# Altium PCB PCB SOM AM625.PcbDoc (part 2 of 6) (continued)
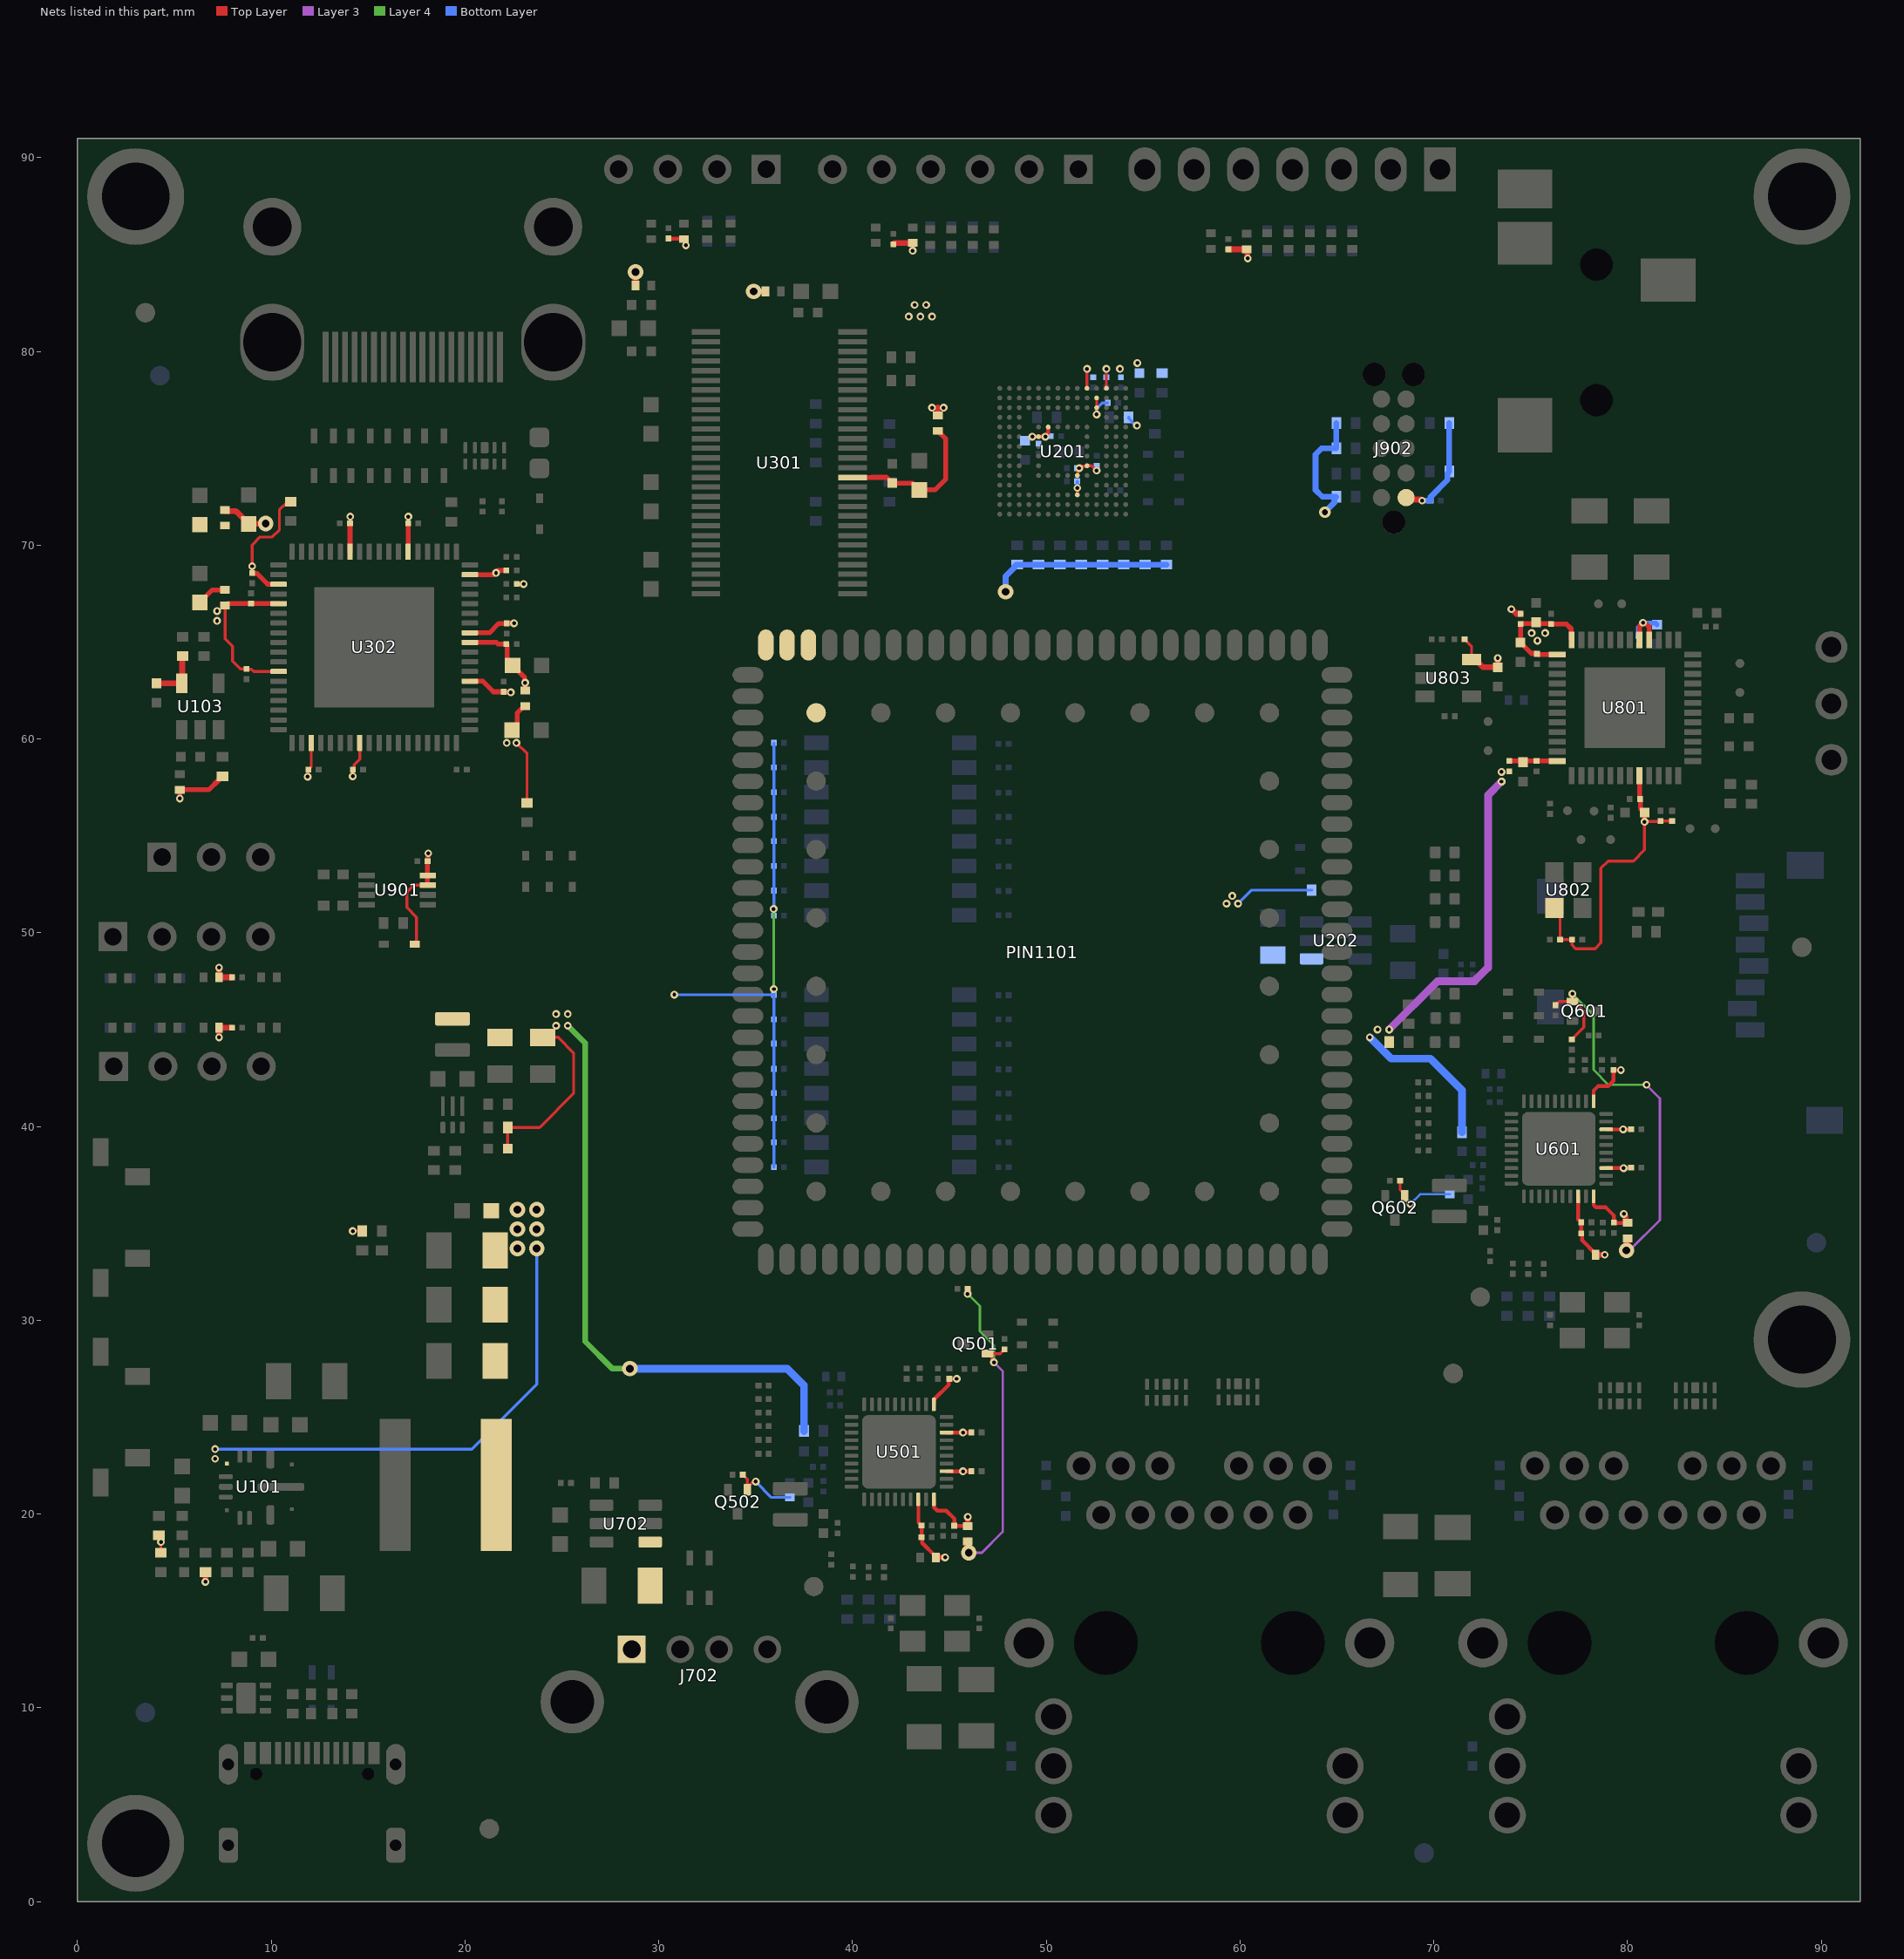
[diagram p6: the nets of this part, all layers, seen from the top]
## Part data (continued)
C704: library part C3216X5R1A107M160AC, "Multilayer Ceramic Capacitor, C Series, 100 - F, - 20%, X5R, 10 V, 1206 [3216 Metric]", Case/Package=1206, Case Code (Metric)=3216, Dielectric=X5R, Dielectric Material=Ceramic, Manufacturer=TDK, Max Operating Temperature=85°C, Min Operating Temperature=-55°C, Package Quantity=1, Tolerance=20%, VOLTAGE=10V, Capacitance=100uF, Case Code (Imperial)=1206, Category="Ceramic Capacitors", ComponentLink1Description=https://datasheet.ciiva.com/24216/c3216x5r1a107m160ac-265050-24216592.pdf?src-supplier=Mouser, ComponentLink1URL=https://datasheet.ciiva.com/24216/c3216x5r1a107m160ac-265050-24216592.pdf?src-supplier=Mouser, ComponentLink2Description=https://datasheet.ciiva.com/7975/1796654-7975125.pdf?src-supplier=Element14, ComponentLink2URL=https://datasheet.ciiva.com/7975/1796654-7975125.pdf?src-supplier=Element14, ComponentLink3Description=https://datasheet.ciiva.com/22694/1796654-22694157.pdf?src-supplier=Element14, ComponentLink3URL=https://datasheet.ciiva.com/22694/1796654-22694157.pdf?src-supplier=Element14, ComponentLink4Description=https://datasheet.ciiva.com/22725/1913358-22725579.pdf?src-supplier=Element14, ComponentLink4URL=https://datasheet.ciiva.com/22725/1913358-22725579.pdf?src-supplier=Element14, ComponentLink5Description=https://datasheet.ciiva.com/28620/mlcc-commercial-general-en-28620362.pdf?src-supplier=Element14, ComponentLink5URL=https://datasheet.ciiva.com/28620/mlcc-commercial-general-en-28620362.pdf?src-supplier=Element14, ComponentLink6Description=https://datasheet.ciiva.com/6284/tdkmlcccaprange-6284586.pdf?src-supplier=Digi-Key, ComponentLink6URL=https://datasheet.ciiva.com/6284/tdkmlcccaprange-6284586.pdf?src-supplier=Digi-Key, ComponentLink7Description=https://datasheet.ciiva.com/6284/tdkmlcccaprange-6284584.pdf?src-supplier=Digi-Key, ComponentLink7URL=https://datasheet.ciiva.com/6284/tdkmlcccaprange-6284584.pdf?src-supplier=Digi-Key, ComponentLink8Description=https://datasheet.ciiva.com/6284/tdkmlcccaprange-6284588.pdf?src-supplier=Digi-Key, ComponentLink8URL=https://datasheet.ciiva.com/6284/tdkmlcccaprange-6284588.pdf?src-supplier=Digi-Key, ComponentLink9Description=https://datasheet.ciiva.com/16482/e412-c-16482549.pdf?src-supplier=Future+Electronics, ComponentLink9URL=https://datasheet.ciiva.com/16482/e412-c-16482549.pdf?src-supplier=Future+Electronics, ComponentLink10Description=https://datasheet.ciiva.com/48671/e412-c-48671366.pdf?src-supplier=Avnet, ComponentLink10URL=https://datasheet.ciiva.com/48671/e412-c-48671366.pdf?src-supplier=Avnet, Construction=Flat, Depth=1.6mm, Height=1.6mm, Lead Free="Lead Free", Length=3.2mm, Manufacturer Part Number=C3216X5R1A107M160AC, Material=4241ConductorMaterial, Mount="Surface Mount", Packaging="Tape and Reel", Pricing 1="2000=0.4841 (USD)", Reach SVHC Compliant=No, RoHS=Yes, RoHS Compliant=Yes, Series=C, Stock 1=18000, Supplier 1="Arrow Electronics", Supplier Part Number 1=C3216X5R1A107M160AC, Termination=SMD/SMT, Thickness=0.075inch, Voltage Rating=10V, Voltage Rating (DC)=10V, Weight=0.000571oz, Width=0.063inch
C801 C803 C805 C806 C809: library part GRM155R61A106ME11D, "Multilayer Ceramic Capacitor, 10 uF, 10 V, ± 20%, X5R, 0402 [1005 Metric]", Case/Package=343Case, Dielectric=1537DielectricType, Manufacturer=Murata, Max Operating Temperature=85°C, Min Operating Temperature=-55°C, Tolerance=20%, Voltage Rating=10V, Capacitance=10uF, Category="Ceramic Capacitors", ComponentLink1Description=https://datasheet.octopart.com/GRM155R61A106ME11D-Murata-datasheet-155239053.pdf?src-supplier=Element14, ComponentLink1URL=https://datasheet.octopart.com/GRM155R61A106ME11D-Murata-datasheet-155239053.pdf?src-supplier=Element14, ComponentLink2Description=https://datasheet.octopart.com/GRM155R61A106ME11D-Murata-datasheet-165579666.pdf?src-supplier=TME, ComponentLink2URL=https://datasheet.octopart.com/GRM155R61A106ME11D-Murata-datasheet-165579666.pdf?src-supplier=TME, Height=700um, Length=1mm, Manufacturer Part Number=GRM155R61A106ME11D, Material=4241ConductorMaterial, Pricing 1="1=0.08, 10=0.054, 25=0.0281 (USD)", RoHS=Yes, RoHS Compliant=Yes, Stock 1=100072, Supplier 1="Arrow Electronics", Supplier Part Number 1=GRM155R61A106ME11D, Thickness=500um, Voltage Rating (DC)=10V, Width=500um
C802 C804 C807 C808 C810 C813 C814 C818: library part GRM033R61C104KE14D, "Multilayer Ceramic Capacitor, 0.1 uF, 16 V, ± 10%, X5R, 0201 [0603 Metric]", Capacitance=100nF, Case Code (Imperial)=0201, Case Code (Metric)=0603, Dielectric=X5R, Manufacturer=Murata, Max Operating Temperature=85°C, Min Operating Temperature=-55°C, Tolerance=10%, Voltage Rating=16V, Case/Package=0201, Category="Ceramic Capacitors", ComponentLink1Description=http://www.farnell.com/datasheets/2892233.pdf?src-supplier=Farnell, ComponentLink1URL=http://www.farnell.com/datasheets/2892233.pdf?src-supplier=Farnell, ComponentLink2Description=http://www.farnell.com/datasheets/2892233.pdf?src-supplier=Newark, ComponentLink2URL=http://www.farnell.com/datasheets/2892233.pdf?src-supplier=Newark, ComponentLink3Description=http://search.murata.co.jp/Ceramy/image/img/A01X/G101/ENG/GRM033R61C104KE14-01.pdf?src-supplier=Digikey, ComponentLink3URL=http://search.murata.co.jp/Ceramy/image/img/A01X/G101/ENG/GRM033R61C104KE14-01.pdf?src-supplier=Digikey, ComponentLink4Description=https://search.murata.co.jp/Ceramy/image/img/A01X/G101/ENG/GRM033R61C104KE14-01.pdf?src-supplier=Digikey, ComponentLink4URL=https://search.murata.co.jp/Ceramy/image/img/A01X/G101/ENG/GRM033R61C104KE14-01.pdf?src-supplier=Digikey, ComponentLink5Description=https://datasheet.octopart.com/GRM033R61C104KE14D-Murata-datasheet-165579666.pdf?src-supplier=TME, ComponentLink5URL=https://datasheet.octopart.com/GRM033R61C104KE14D-Murata-datasheet-165579666.pdf?src-supplier=TME, Height=330um, Length=600um, Manufacturer Part Number=GRM033R61C104KE14D, Material=4241ConductorMaterial, Mount="Surface Mount", Packaging="Tape and Reel", Pricing 1="15000=0.0039 (USD)", RoHS=Yes, RoHS Compliant=Yes, Series=GRM, Stock 1=8280000, Supplier 1="Arrow Electronics", Supplier Part Number 1=GRM033R61C104KE14D, Thickness=300um, Voltage Rating (DC)=16V, Width=300um
C811 C812 C819: library part GRM155R71H104KE14D, "Multilayer Ceramic Capacitor, 0.1 uF, 50 V, ± 10%, X7R, 0402 [1005 Metric]", Capacitance=100nF, Case Code (Imperial)=0402, Case Code (Metric)=1005, Dielectric=X7R, Dielectric Material=Ceramic, Manufacturer=Murata, Max Operating Temperature=125°C, Min Operating Temperature=-55°C, Package Quantity=10000, Tolerance=10%, VOLTAGE=50V, Case/Package=0402, Category="Ceramic Capacitors", ComponentLink1Description=http://www.farnell.com/datasheets/2079156.pdf?src-supplier=Farnell, ComponentLink1URL=http://www.farnell.com/datasheets/2079156.pdf?src-supplier=Farnell, ComponentLink2Description=http://www.mouser.com/ds/2/281/c02e-2905.pdf?src-supplier=Mouser, ComponentLink2URL=http://www.mouser.com/ds/2/281/c02e-2905.pdf?src-supplier=Mouser, ComponentLink3Description=https://datasheet.octopart.com/GRM155R71H104KE14D-Murata-datasheet-22122223.pdf?src-supplier=Future+Electronics, ComponentLink3URL=https://datasheet.octopart.com/GRM155R71H104KE14D-Murata-datasheet-22122223.pdf?src-supplier=Future+Electronics, ComponentLink4Description=http://www.farnell.com/datasheets/2079156.pdf?src-supplier=Newark, ComponentLink4URL=http://www.farnell.com/datasheets/2079156.pdf?src-supplier=Newark, ComponentLink5Description=https://datasheet.octopart.com/GRM155R71H104KE14D-Murata-datasheet-66077078.pdf?src-supplier=Element14, ComponentLink5URL=https://datasheet.octopart.com/GRM155R71H104KE14D-Murata-datasheet-66077078.pdf?src-supplier=Element14, ComponentLink6Description=https://search.murata.co.jp/Ceramy/image/img/A01X/G101/ENG/GRM155R71H104KE14-01.pdf?src-supplier=Digikey, ComponentLink6URL=https://search.murata.co.jp/Ceramy/image/img/A01X/G101/ENG/GRM155R71H104KE14-01.pdf?src-supplier=Digikey, Construction=Flat, Depth=0.5mm, Dissipation Factor=0.025%, Height=0.5mm, Lead Free=5697LeadFree, Length=1mm, Manufacturer Part Number=GRM155R71H104KE14D, Material=Ceramic, Mount="Surface Mount", Number of Pins=2NUMBER, Packaging="Tape and Reel", Pricing 1="10000=0.0046, 30000=0.0042, 50000=0.0037, 100000=0.0028 (USD)", Reach SVHC Compliant=No, RoHS=Yes, RoHS Compliant=Yes, Series=GRM, Stock 1=6020000, Supplier 1="Arrow Electronics", Supplier Part Number 1=GRM155R71H104KE14D, Termination=SMD/SMT, Thickness=0.022inch, Voltage Rating=50V, Voltage Rating (DC)=50V, Weight=0.000212oz, Width=0.5mm
C815 C816: library part GRM31CR61A476ME15L, "Multilayer Ceramic Capacitor, 47 uF, 10 V, ± 20%, X5R, 1206 [3216 Metric]", Manufacturer=Murata, Category="Ceramic Capacitors", ComponentLink1Description=https://datasheet.ciiva.com/6031/1697710-6031936.pdf?src-supplier=Farnell, ComponentLink1URL=https://datasheet.ciiva.com/6031/1697710-6031936.pdf?src-supplier=Farnell, ComponentLink2Description=https://datasheet.ciiva.com/3779/2151grm31cr61a476me1523-3779480.pdf?src-supplier=Arrow+Electronics, ComponentLink2URL=https://datasheet.ciiva.com/3779/2151grm31cr61a476me1523-3779480.pdf?src-supplier=Arrow+Electronics, ComponentLink3Description=https://datasheet.ciiva.com/16461/product-16461242.pdf?src-supplier=Future+Electronics, ComponentLink3URL=https://datasheet.ciiva.com/16461/product-16461242.pdf?src-supplier=Future+Electronics, ComponentLink4Description=https://datasheet.ciiva.com/7719/1697710-7719146.pdf?src-supplier=Element14, ComponentLink4URL=https://datasheet.ciiva.com/7719/1697710-7719146.pdf?src-supplier=Element14, ComponentLink5Description=https://datasheet.ciiva.com/5416/product-5416711.pdf?src-supplier=Mouser, ComponentLink5URL=https://datasheet.ciiva.com/5416/product-5416711.pdf?src-supplier=Mouser, ComponentLink6Description=https://datasheet.ciiva.com/14116/grmseries-highdielectrictype-eng-14116399.pdf?src-supplier=Distrelec, ComponentLink6URL=https://datasheet.ciiva.com/14116/grmseries-highdielectrictype-eng-14116399.pdf?src-supplier=Distrelec, ComponentLink7Description=https://datasheet.ciiva.com/11606/product-11606488.pdf?src-supplier=Avnet, ComponentLink7URL=https://datasheet.ciiva.com/11606/product-11606488.pdf?src-supplier=Avnet, ComponentLink8Description=https://datasheet.ciiva.com/141/partnumbering-e-01-141779.pdf?src-supplier=Digikey, ComponentLink8URL=https://datasheet.ciiva.com/141/partnumbering-e-01-141779.pdf?src-supplier=Digikey, ComponentLink9Description=https://datasheet.ciiva.com/141/partnumbering-e-01-141780.pdf?src-supplier=Digikey, ComponentLink9URL=https://datasheet.ciiva.com/141/partnumbering-e-01-141780.pdf?src-supplier=Digikey, ComponentLink10Description=https://datasheet.ciiva.com/141/partnumbering-e-01-141781.pdf?src-supplier=Digikey, ComponentLink10URL=https://datasheet.ciiva.com/141/partnumbering-e-01-141781.pdf?src-supplier=Digikey, Manufacturer Part Number=GRM31CR61A476ME15L, Pricing 1="2000=0.1162, 4000=0.1078, 10000=0.0977, 50000=0.0818 (USD)", RoHS=Yes, Stock 1=120000, Supplier 1="Arrow Electronics", Supplier Part Number 1=GRM31CR61A476ME15L
C817: library part GRM155R71A474KE01D, "Multilayer Ceramic Capacitor, 0.47 uF, 10 V, ± 10%, X7R, 0402 [1005 Metric]", Capacitance=470nF, Case/Package=0402, Manufacturer=Murata, Max Operating Temperature=125°C, Min Operating Temperature=-55°C, Tolerance=10%, Voltage Rating=10V, Category="Ceramic Capacitors", ComponentLink1Description=https://datasheet.octopart.com/GRM155R71A474KE01D-Murata-datasheet-149523060.pdf?src-supplier=Newark, ComponentLink1URL=https://datasheet.octopart.com/GRM155R71A474KE01D-Murata-datasheet-149523060.pdf?src-supplier=Newark, ComponentLink2Description=https://datasheet.octopart.com/GRM155R71A474KE01D-Murata-datasheet-32479577.pdf?src-supplier=Future+Electronics, ComponentLink2URL=https://datasheet.octopart.com/GRM155R71A474KE01D-Murata-datasheet-32479577.pdf?src-supplier=Future+Electronics, ComponentLink3Description=http://search.murata.co.jp/Ceramy/image/img/A01X/G101/ENG/GRM155R71A474KE01-01.pdf?src-supplier=Digikey, ComponentLink3URL=http://search.murata.co.jp/Ceramy/image/img/A01X/G101/ENG/GRM155R71A474KE01-01.pdf?src-supplier=Digikey, ComponentLink4Description=https://datasheet.octopart.com/GRM155R71A474KE01D-Murata-datasheet-165579666.pdf?src-supplier=TME, ComponentLink4URL=https://datasheet.octopart.com/GRM155R71A474KE01D-Murata-datasheet-165579666.pdf?src-supplier=TME, Height=0.3mm, Lead Free="Lead Free", Length=1mm, Manufacturer Part Number=GRM155R71A474KE01D, Material=Ceramic, Number of Pins=2NUMBER, Pricing 1="1=0.1817, 10=0.1593, 25=0.1555, 100=0.1462, 250=0.1449, 500=0.1371, 1000=0.1361, 3000=0.1351, 6000=0.1341, 15000=0.1331, 30000=0.1322, 75000=0.1312 (USD)", RoHS=Yes, RoHS Compliant=Yes, Stock 1=75675, Supplier 1="Arrow Electronics", Supplier Part Number 1=GRM155R71A474KE01D, Thickness=500um, Voltage Rating (DC)=10V, Width=0.5mm
D201 D202 D203 D204 D205 D301 D303 D304 D305 D503 D504 D505 D603 D604 D605 D905: "Diode Schottky 30V 0.2A 2-Pin SOD-523 T/R - Product that comes on tape, but is not reeled", Average Rectified Current=200mA, Case/Package=SOD-523-2, Forward Voltage=600mV, Manufacturer="ON Semiconductor", Max Operating Temperature=150°C, Max Repetitive Reverse Voltage (Vrrm)=30V, Max Reverse Current=1uA, Min Operating Temperature=-55°C, Package Quantity=3000, Power Dissipation=200mW, Supplier Part Number 1=7657109, Category="Schottky Diodes", ComponentLink1Description=https://datasheet.ciiva.com/915/rb520s30t1-d-915377.pdf?src-supplier=Avnet, ComponentLink1URL=https://datasheet.ciiva.com/915/rb520s30t1-d-915377.pdf?src-supplier=Avnet, ComponentLink2Description=https://datasheet.ciiva.com/915/rb520s30t1-d-915377.pdf?src-supplier=Digi-Key, ComponentLink2URL=https://datasheet.ciiva.com/915/rb520s30t1-d-915377.pdf?src-supplier=Digi-Key, ComponentLink3Description=https://datasheet.ciiva.com/22659/1708342-22659126.pdf?src-supplier=Element14, ComponentLink3URL=https://datasheet.ciiva.com/22659/1708342-22659126.pdf?src-supplier=Element14, ComponentLink4Description=https://datasheet.ciiva.com/4715/rb520s30t1-d-101117-4715113.pdf?src-supplier=Mouser, ComponentLink4URL=https://datasheet.ciiva.com/4715/rb520s30t1-d-101117-4715113.pdf?src-supplier=Mouser, ComponentLink5Description=https://datasheet.ciiva.com/16210/rb520s30t1-d-16210917.pdf?src-supplier=Future+Electronics, ComponentLink5URL=https://datasheet.ciiva.com/16210/rb520s30t1-d-16210917.pdf?src-supplier=Future+Electronics, ComponentLink6Description=https://datasheet.ciiva.com/8292/rb520s30t1-d-8292399.pdf?src-supplier=Avnet, ComponentLink6URL=https://datasheet.ciiva.com/8292/rb520s30t1-d-8292399.pdf?src-supplier=Avnet, ComponentLink7Description=https://datasheet.ciiva.com/915/rb520s30t1-d-915378.pdf?src-supplier=Digi-Key, ComponentLink7URL=https://datasheet.ciiva.com/915/rb520s30t1-d-915378.pdf?src-supplier=Digi-Key, ComponentLink8Description=https://datasheet.ciiva.com/915/rb520s30t1-d-915379.pdf?src-supplier=Digi-Key, ComponentLink8URL=https://datasheet.ciiva.com/915/rb520s30t1-d-915379.pdf?src-supplier=Digi-Key, Current Rating=200mA, Element Configuration=Single, Forward Current=200mA, Height=0.7mm, Lead Free="Lead Free", Length=1.3mm, Manufacturer Part Number=RB520S30T1G, Max Forward Surge Current (Ifsm)=200mA, Max Reverse Leakage Current=1uA, Max Reverse Voltage (DC)=30V, Number of Pins=2, Output Current=200mA, Packaging="Tape and Reel", Polarity=Standard, Pricing 1="3000=0.0155, 12000=0.0148, 45000=0.0143, 90000=0.0139, 225000=0.0133 (USD)", Radiation Hardening=No, Reach SVHC Compliant=No, RoHS=Yes, RoHS Compliant=Yes, Series=-, Stock 1=33000, Supplier 1="Future Electronics", Voltage Rating (DC)=30V, Width=0.9mm
D206 D207 D208 D209 D210 D211 D212 D701 D702 D901 D902 D903 D904 D906 D907 D908 D909 D910 D911 D912 D913 D914 D915 D916 D917 D918: "1-pF, ±3.6-V, ±30-kV ESD protection diode with 6-A 8/20-uS surge & Low Clamping in 0402 package", Breakdown Voltage=6.4V, Capacitance=1pF, Clamping Voltage=8.5V, Manufacturer="Texas Instruments", Max Operating Temperature=125°C, Min Operating Temperature=-40°C, Peak Pulse Current=6.3A, Peak Pulse Power=50W, Reverse Standoff Voltage=3.6V, Supplier Part Number 1=595-TPD1E1B04DPYR, Category="Integrated Circuits (ICs)", ComponentLink1Description=http://www.ti.com/lit/ds/symlink/tpd1e1b04.pdf?src-supplier=Digi-Key, ComponentLink1URL=http://www.ti.com/lit/ds/symlink/tpd1e1b04.pdf?src-supplier=Digi-Key, ComponentLink2Description=http://www.ti.com/general/docs/suppproductinfo.tsp?distId=10&amp;gotoUrl=http%3A%2F%2Fwww.ti.com%2Flit%2Fgpn%2Ftpd1e1b04&src-supplier=Digi-Key, ComponentLink2URL=http://www.ti.com/general/docs/suppproductinfo.tsp?distId=10&amp;gotoUrl=http%3A%2F%2Fwww.ti.com%2Flit%2Fgpn%2Ftpd1e1b04&src-supplier=Digi-Key, Direction=211Direction, Height=450um, Interface=LVDS,USB,Ethernet, Lead Free="Lead Free", Length=600um, Manufacturer Part Number=TPD1E1B04DPYR, Number of Channels=1, Number of Pins=2NUMBER, Pricing 1="1=0.35, 10=0.28, 50=0.28, 100=0.184, 500=0.144, 1000=0.102, 2500=0.098, 10000=0.085, 20000=0.084, 50000=0.079 (USD)", RoHS=Yes, RoHS Compliant=Yes, Stock 1=57724, Supplier 1=Mouser, Thickness=370um, Width=1mm
D302 D501 D502 D601 D602: "Quad 0.5-pF, 5.5-V, ±12-kV ESD protection diode for USB, HDMI & High Speed Interfaces", Breakdown Voltage=6V, Case/Package=SON, Clamping Voltage=14V, Leakage Current=10nA, Manufacturer="Texas Instruments", Max Operating Temperature=125°C, Max Power Dissipation=40W, Min Operating Temperature=-40°C, Operating Supply Voltage=5.5V, Package Quantity=3000, Peak Pulse Current=2.5A, Power Line Protection=Yes, Supplier Part Number 1=595-TPD4E05U06DQAR, Category="Integrated Circuits (ICs)", ComponentLink1Description=https://datasheet.ciiva.com/15063/tpd4e05u06-15063653.pdf?src-supplier=Digi-Key, ComponentLink1URL=https://datasheet.ciiva.com/15063/tpd4e05u06-15063653.pdf?src-supplier=Digi-Key, ComponentLink2Description=https://datasheet.ciiva.com/24119/slvsbo7f-316827-24119436.pdf?src-supplier=Mouser, ComponentLink2URL=https://datasheet.ciiva.com/24119/slvsbo7f-316827-24119436.pdf?src-supplier=Mouser, ComponentLink3Description=https://datasheet.ciiva.com/26918/getdatasheetpartid-716763-26918024.pdf?src-supplier=Verical, ComponentLink3URL=https://datasheet.ciiva.com/26918/getdatasheetpartid-716763-26918024.pdf?src-supplier=Verical, ComponentLink4Description=https://datasheet.ciiva.com/15063/tpd4e05u06-15063654.pdf?src-supplier=Digi-Key, ComponentLink4URL=https://datasheet.ciiva.com/15063/tpd4e05u06-15063654.pdf?src-supplier=Digi-Key, ComponentLink5Description=https://datasheet.ciiva.com/15063/tpd4e05u06-15063655.pdf?src-supplier=Digi-Key, ComponentLink5URL=https://datasheet.ciiva.com/15063/tpd4e05u06-15063655.pdf?src-supplier=Digi-Key, ComponentLink6Description=https://datasheet.ciiva.com/29883/tpd4e05u06-29883798.pdf?src-supplier=Avnet, ComponentLink6URL=https://datasheet.ciiva.com/29883/tpd4e05u06-29883798.pdf?src-supplier=Avnet, Depth=1.1mm, Direction=Unidirectional, Interface=LVDS,USB,Ethernet,HDMI,PCIe,SATA, Lead Free="Lead Free", Length=2.6mm, Manufacturer Part Number=TPD4E05U06DQAR, Min Breakdown Voltage=6V, Mount="Surface Mount", Number of Channels=4, Number of Pins=10, Number of Unidirectional Channels=4, Packaging="Tape and Reel", Peak Pulse Power=40W, Polarity=Unidirectional, Pricing 1="1=0.58, 10=0.487, 50=0.487, 100=0.339, 500=0.264, 1000=0.216, 3000=0.189, 9000=0.167, 10000=0.167, 24000=0.163, 45000=0.161 (USD)", Radiation Hardening=No, Reach SVHC Compliant=No, Reverse Standoff Voltage=5.5V, RoHS=Yes, RoHS Compliant=Yes, Series=-, Stock 1=35141, Supplier 1=Mouser, Termination=SMD/SMT, Working Voltage=5.5V
F301: "PTC Resettable Fuse 0.1A(hold) 0.3A(trip) 15V 40A 0.5W 1s 0.9Ohm SMD Solder Pad 0603 T/R Automotive", Case/Package=0603, Case Code (Metric)=1608, Hold Current=100mA, Manufacturer=Bourns, Max Current Rating=40A, Max Operating Temperature=85°C, Min Operating Temperature=-40°C, Operating Supply Voltage=15V, Package Quantity=5000, Power Dissipation=500mW, Resistance=6R, Supplier Part Number 1=MF-FSMF010X-2CT-ND, Trip Current=300mA, Approvals=UL,TUV, Case Code (Imperial)=0603, Category="PTC Resettable Fuses", ComponentLink1Description=https://datasheet.ciiva.com/22657/1482813-22657775.pdf?src-supplier=Element14, ComponentLink1URL=https://datasheet.ciiva.com/22657/1482813-22657775.pdf?src-supplier=Element14, ComponentLink2Description=https://datasheet.ciiva.com/7433/mffsmf-7433915.pdf?src-supplier=Digi-Key, ComponentLink2URL=https://datasheet.ciiva.com/7433/mffsmf-7433915.pdf?src-supplier=Digi-Key, ComponentLink3Description=https://datasheet.ciiva.com/7433/mffsmf-7433918.pdf?src-supplier=Digi-Key, ComponentLink3URL=https://datasheet.ciiva.com/7433/mffsmf-7433918.pdf?src-supplier=Digi-Key, ComponentLink4Description=https://datasheet.ciiva.com/7433/mffsmf-7433910.pdf?src-supplier=Digi-Key, ComponentLink4URL=https://datasheet.ciiva.com/7433/mffsmf-7433910.pdf?src-supplier=Digi-Key, ComponentLink5Description=https://datasheet.ciiva.com/32426/mf-fsmf-series-eng-tds-32426188.pdf?src-supplier=Distrelec, ComponentLink5URL=https://datasheet.ciiva.com/32426/mf-fsmf-series-eng-tds-32426188.pdf?src-supplier=Distrelec, ComponentLink6Description=https://datasheet.ciiva.com/28411/1482813-28411110.pdf?src-supplier=Element14, ComponentLink6URL=https://datasheet.ciiva.com/28411/1482813-28411110.pdf?src-supplier=Element14, ComponentLink7Description=https://datasheet.ciiva.com/48686/001055621-da-01-en-sich-ptc-reset-mf-fsmf010x-2-smd-0-1a-48686501.pdf?src-supplier=Conrad, ComponentLink7URL=https://datasheet.ciiva.com/48686/001055621-da-01-en-sich-ptc-reset-mf-fsmf010x-2-smd-0-1a-48686501.pdf?src-supplier=Conrad, Height=0.65mm, Lead Free="Lead Free", Length=1.6mm, Manufacturer Part Number=MF-FSMF010X-2, Mount="Surface Mount", Number of Pins=2NUMBER, Packaging="Tape and Reel", Pricing 1="1=0.24, 5=0.23, 10=0.221, 50=0.1968, 100=0.1833, 250=0.16288, 500=0.13574, 1000=0.12896 (USD)", Radiation Hardening=No, Reach SVHC Compliant=No, RoHS=Yes, RoHS Compliant=Yes, Series=MF-FSMF, Stock 1=14914, Supplier 1=Digi-Key, Terminal Material=Gold, Termination=SMD/SMT, Time to Trip=1s, Voltage Rating=15V, Voltage Rating (DC)=15V, Width=0.8mm
FB101 FB301 FB302 FB303 FB304 FB305 FB306 FB801 FB901 FB902 FB903 FB904 FB905 FB906 FB907 FB908 FB909 FB910 FB911 FB912 FB913 FB914 FB915 FB916 FB917 FB918 FB919 FB920 FB921 FB922 FB923 FB924 FB925: library part BLM15PD121SZ1D, "Ferrite Beads Multi-Layer 120Ohm 25% 100MHz 1.3A 0.09Ohm DCR 0402 Automotive T/R", Case/Package=0402, Case Code (Metric)=1005, Manufacturer=Murata, Max Current Rating=1.3A, Max Operating Temperature=125°C, Min Operating Temperature=-55°C, Ratings=AEC-Q200, Resistance=90mR, Test Frequency=100MHz, Tolerance=25%, Case Code (Imperial)=0402, Category="Ferrite Beads and Chips", ComponentLink1Description=https://www.murata.com/en-us/products/productdata/8796748677150/QNFA9118.pdf?src-supplier=Digi-Key, ComponentLink1URL=https://www.murata.com/en-us/products/productdata/8796748677150/QNFA9118.pdf?src-supplier=Digi-Key, Core Material=228ConductorMaterial, Height=550um, Manufacturer Part Number=BLM15PD121SZ1D, Mount="Surface Mount", Number of Lines=1, Packaging="Cut Tape", Pricing 1="10000=0.0178, 20000=0.0168, 30000=0.016, 50000=0.0158 (USD)", RMS Current (Irms)=1.3A, RoHS=Yes, RoHS Compliant=Yes, Series="EMIFIL®, BLM15", Series Resistance=90mR, Stock 1=10000, Supplier 1="Arrow Electronics", Supplier Part Number 1=BLM15PD121SZ1D
FB501 FB502 FB503 FB504 FB601 FB602 FB603 FB604: library part BLM15PD121SZ1D, "Ferrite Beads Multi-Layer 120Ohm 25% 100MHz 1.3A 0.09Ohm DCR 0402 Automotive T/R", Case Code (Imperial)=0402, Case Code (Metric)=1005, Manufacturer=Murata, Max Current Rating=1.3A, Max Operating Temperature=125°C, Min Operating Temperature=-55°C, Ratings=AEC-Q200, Resistance=90mR, Test Frequency=100MHz, Tolerance=25%, Case/Package=0402, Category="Ferrite Beads and Chips", ComponentLink1Description=https://www.murata.com/en-us/products/productdata/8796748677150/QNFA9118.pdf?src-supplier=Digi-Key, ComponentLink1URL=https://www.murata.com/en-us/products/productdata/8796748677150/QNFA9118.pdf?src-supplier=Digi-Key, Core Material=228ConductorMaterial, Height=550um, Manufacturer Part Number=BLM15PD121SZ1D, Mount="Surface Mount", Number of Lines=1, Packaging="Cut Tape", Pricing 1="10000=0.0178, 20000=0.0168, 30000=0.016, 50000=0.0158 (USD)", RMS Current (Irms)=1.3A, RoHS=Yes, RoHS Compliant=Yes, Series="EMIFIL®, BLM15", Series Resistance=90mR, Stock 1=10000, Supplier 1="Arrow Electronics", Supplier Part Number 1=BLM15PD121SZ1D
FID1001 FID1002 FID1003 FID1004 FID1005 FID1006 FID1007 FID1008: "Fiducial 40mil Diameter, 120mil Mask", Supplier=Digikey
J201: library part "CONN; MICRO SD PUSH/PUSH SMALL 8C, 5033981892", "MICRO SD PUSH/PUSH SMALL 8C", Current Rating="500 mA", MANUFACTURER1="Amphenol ICC (Commercial Products)", Supplier Part Number 1=WM11190CT-ND, Voltage Rating="10 VAC/DC", Category=CONN, ComponentLink2URL=https://datasheet.ciiva.com/16655/5033981892-memory-card-socket-16655604.pdf, ComponentLink3Description=https://datasheet.ciiva.com/29723/5033981892-sd-29723401.pdf, ComponentLink3URL=https://datasheet.ciiva.com/29723/5033981892-sd-29723401.pdf, ComponentLink4Description=https://datasheet.ciiva.com/22744/1740946-22744573.pdf, ComponentLink4URL=https://datasheet.ciiva.com/22744/1740946-22744573.pdf, Factory Pack Quantity=2400, LINK=https://www.digikey.com/en/products/detail/amphenol-icc-commercial-products/GTFP08432B1HR/13683218?s=N4IgTCBcDaIOIBUBiAFADADgCwGYwCEBGACQCUQBdAXyA, MANUFACTURER1_PART#=GTFP08432B1HR, Packaging=Reel, Pricing 1="1=2.53, 10=2.292, 25=2.1516, 50=2.0582, 100=1.9647, 250=1.7776, 500=1.6372, 1000=1.4033 (USD)", Product Category="Memory Card Connectors", RoHS=Details, Series=503398, Stock 1=31804, Supplier 1=Digi-Key
J301: "CONN RCPT 19POS HDMI RT ANG SMD", Manufacturer="Molex Connector Corporation", Operating Temperature="-20°C to +85°C", Supplier Part Number=WM19086CT-ND, .Checked PCB=used, .Checked SCH=used, Category="Connectors, Interconnects", ComponentLink1Description=http://www.molex.com/pdm_docs/sd/471510001_sd.pdf, ComponentLink1URL=http://www.molex.com/pdm_docs/sd/471510001_sd.pdf, Connector Type=HDMI, Family="USB, IEEE-1394 (Firewire), DVI, HDMI", Features="Detent Lock", Gender=Receptacle, Ingress Protection=-, Manufacturer Part Number=47151-0001, Mounting Type="Surface Mount, Right Angle, Horizontal", Number of Contacts=19, Number of Positions=19, Packaging="Cut Tape (CT)", Pitch="0.50mm (.020\")", Price 1k [$]=1.74610, Pricing 1="1=3.1, 10=2.57, 50=2.1456, 100=1.9034 (USD)", RoHS="RoHS Compliant", Specifications=-, Stock 1=2756, Supplier=Digikey, Supplier 1=Digi-Key, Supplier Part Number 1=WM19086CT-ND
J501 J601: "CONN MAGJACK 1PORT SHLD 1000BT", LED Color="Green, Orange - Yellow", Manufacturer="Bel Fuse Inc", Supplier Part Number 1=380-1110-ND, .Checked PCB=RF, .Checked SCH=RF, Category="Connectors, Interconnects", ComponentLink1Description=http://www.belfuse.com/Data/Datasheets/L829-1J1T-43.pdf, ComponentLink1URL=http://www.belfuse.com/Data/Datasheets/L829-1J1T-43.pdf, Connector Type=RJ45, Features="AutoMDIX, Board Guide", Height Above Board="0.445\" (11.30mm)", Manufacturer Part Number=L829-1J1T-43, Mounting Type="Panel Mount; Through Hole, Right Angle", Number of Cores per Jack=8, Number of Ports=1, Number of Rows=1, Packaging=Tray, Pricing 1="1=4.67, 10=3.863, 100=2.8974, 250=2.672, 500=2.41446, 1000=2.14082, 2500=2.05229, 5000=2.01205 (GBP)", RoHS="RoHS Compliant", Shielding=Shielded, Speed="10/100/1000 Base-T", Stock 1=7172, Supplier 1=Digi-Key, Tab Direction=Up
J701: library part USB4105-GF-A, "Conn USB 2.0 Type C RCP 24 POS 0.3mm/0.5mm Solder RA SMD 24 Terminal 1 Port T/R", Flammability Rating="UL94 V-0", Insulation Color=Black, Manufacturer="Global Connector Technology", Max Operating Temperature=85°C, Min Operating Temperature=-40°C, Supplier Part Number 1=86AH2021, Voltage Rating=20V, Category="USB Connectors", ComponentLink1Description=https://gct.co/files/drawings/usb4105.pdf?src-supplier=Digi-Key, ComponentLink1URL=https://gct.co/files/drawings/usb4105.pdf?src-supplier=Digi-Key, ComponentLink2Description=https://datasheet.octopart.com/USB4105-GF-A-GCT-datasheet-166929323.pdf?src-supplier=TME, ComponentLink2URL=https://datasheet.octopart.com/USB4105-GF-A-GCT-datasheet-166929323.pdf?src-supplier=TME, Connector Type=USB, Contact Material=153,157ConductorMaterial, Contact Plating=Gold, Gender=Receptacle, Height=3.46mm, Manufacturer Part Number=USB4105-GF-A, Mating Cycles=10000, Mount="Surface Mount,Through Hole,Horizontal", Number of Contacts=16NUMBER, Number of Ports=1, Pricing 1="1=0.811, 10=0.737, 25=0.695, 50=0.666, 100=0.638, 250=0.581, 500=0.539 (USD)", RoHS=No, Series=USB4105, Shielding=Shielded, Stock 1=1576, Supplier 1=Newark, Termination=Solder, USB Standard=6108USBStandard
J702: library part USB1130-15-A, "Usb Conn, 2.0 Type A, R/a Rcpt, 4Pos, Th Rohs Compliant: Yes", Manufacturer="Global Connector Technology", Supplier Part Number 1=5161878, Category=Connectors, ComponentLink1Description=https://datasheet.octopart.com/USB1130-15-A-Global-Connector-Technology-datasheet-148834151.pdf?src-supplier=Future+Electronics, ComponentLink1URL=https://datasheet.octopart.com/USB1130-15-A-Global-Connector-Technology-datasheet-148834151.pdf?src-supplier=Future+Electronics, Manufacturer Part Number=USB1130-15-A, Pricing 1="230=0.425, 690=0.41, 1150=0.4, 2300=0.39, 4600=0.375 (USD)", RoHS=No, Stock 1=460, Supplier 1="Future Electronics"
J801: "3.5 mm, 4 Conductors, Right Angle, Surface Mount (SMT), Audio Jack Connector", Manufacturer="CUI Devices", Category="Audio / Video Connectors", ComponentLink1Description=https://datasheet.octopart.com/SJ-43514-SMT-TR-CUI-Devices-datasheet-137916562.pdf?src-supplier=Future+Electronics, ComponentLink1URL=https://datasheet.octopart.com/SJ-43514-SMT-TR-CUI-Devices-datasheet-137916562.pdf?src-supplier=Future+Electronics, ComponentLink2Description=https://www.cuidevices.com/product/resource/digikeypdf/sj-4351x-smt.pdf?src-supplier=Digikey, ComponentLink2URL=https://www.cuidevices.com/product/resource/digikeypdf/sj-4351x-smt.pdf?src-supplier=Digikey, Manufacturer Part Number=SJ-43514-SMT-TR, Pricing 1="5000=0.498, 6000=0.493, 10000=0.4893 (USD)", RoHS=Yes, Stock 1=15500, Supplier 1="Arrow Electronics", Supplier Part Number 1=SJ-43514-SMT-TR
J901 J903 J905: library part "Header 4x1", "Header, 4 Pin Pitch 2.54mm", MPN=S1012EC-40-ND, CompanyID=VT-00125, Solder=WAVE
L101: library part 74439358047, "Fixed Ind 4.7UH 9.5A 8.65 Mohm", Case/Package=Nonstandard, Current Rating=9.5A, DC Resistance (DCR)=8.65mR, Inductance Tolerance=20%, Manufacturer="Wurth Electronics", Max Operating Temperature=125°C, Min Operating Temperature=-40°C, Saturation Current=20.5A, Self Resonant Frequency=25MHz, Supplier Part Number 1=732-7275-1-ND, Test Frequency=100kHz, Category="Fixed Inductors", ComponentLink1Description=http://www.farnell.com/datasheets/1951867.pdf?src-supplier=Farnell, ComponentLink1URL=http://www.farnell.com/datasheets/1951867.pdf?src-supplier=Farnell, ComponentLink2Description=http://www.farnell.com/datasheets/1951867.pdf?src-supplier=Element14, ComponentLink2URL=http://www.farnell.com/datasheets/1951867.pdf?src-supplier=Element14, ComponentLink3Description=https://katalog.we-online.de/pbs/datasheet/74439358047.pdf?src-supplier=Digi-Key, ComponentLink3URL=https://katalog.we-online.de/pbs/datasheet/74439358047.pdf?src-supplier=Digi-Key, Core Material=Ferrite,Metal,Composite, Height - Seated (Max)=0.315inch, Inductance=4.7uH, Length=0.346inch, Manufacturer Part Number=74439358047, Mount="Surface Mount", Packaging="Cut Tape", Pricing 1="1=4.69, 50=4.048, 100=3.49, 250=3.06 (USD)", Reach SVHC Compliant=Unknown, RMS Current (Irms)=9.5A, RoHS=Yes, RoHS Compliant=Yes, Series=WE-XHMI, Shielding=Shielded, Stock 1=2723, Supplier 1=Digi-Key, Tolerance=20%, Width=0.327inch
L102: library part DFE201610E-R47M=P2, "Inductor Power Shielded Wirewound 0.47uH 20% 1MHz Metal 3.6A 0.032Ohm DCR 0806 T/R", Current Rating=3.6A, Inductance=470nH, Inductance Tolerance=20%, Manufacturer=Murata, Manufacturer Part Number=DFE201610E-R47M=P2, Max Operating Temperature=125°C, Min Operating Temperature=-40°C, Saturation Current=4.8A, Series Resistance=32mR, Supplier Part Number 1=490-18109-1-ND, Test Frequency=1MHz, Category="Fixed Inductors", ComponentLink1Description=http://www.farnell.com/datasheets/2339713.pdf?src-supplier=Farnell, ComponentLink1URL=http://www.farnell.com/datasheets/2339713.pdf?src-supplier=Farnell, ComponentLink2Description=https://datasheet.octopart.com/DFE201610E-R47M%3DP2-Murata-datasheet-90967093.pdf?src-supplier=Element14, ComponentLink2URL=https://datasheet.octopart.com/DFE201610E-R47M%3DP2-Murata-datasheet-90967093.pdf?src-supplier=Element14, ComponentLink3Description=http://search.murata.co.jp/Ceramy/image/img/P02/J(E)TE243A-0001_DFE201610E_reference.pdf?src-supplier=Digi-Key, ComponentLink3URL=http://search.murata.co.jp/Ceramy/image/img/P02/J(E)TE243A-0001_DFE201610E_reference.pdf?src-supplier=Digi-Key, ComponentLink4Description=https://datasheet.octopart.com/DFE201610E-R47M%3DP2-Murata-datasheet-150009017.pdf?src-supplier=Arrow.cn, ComponentLink4URL=https://datasheet.octopart.com/DFE201610E-R47M%3DP2-Murata-datasheet-150009017.pdf?src-supplier=Arrow.cn, Height=1mm, Packaging=13Packaging, Pricing 1="1=0.32, 10=0.261, 25=0.2412, 50=0.221, 100=0.1948, 250=0.1888, 500=0.16872, 1000=0.13658 (USD)", RMS Current (Irms)=3.6A, RoHS=Yes, RoHS Compliant=Yes, Stock 1=21073, Supplier 1=Digi-Key, Tolerance=20%
L301 L302 L303 L304 L701 L702: "Ind Common Mode Choke Wirewound 90Ohm 25% 100MHz 280mA 0805 Embossed T/R", Case/Package=0805, CURRENT=280mA, DC Resistance (DCR)=410mR, Manufacturer=Murata, Max Operating Temperature=85°C, Min Operating Temperature=-40°C, Package Quantity=1, Test Frequency=100MHz, Tolerance=25%, Voltage Rating (DC)=20V, Case Code (Imperial)=0805, Category="Common Mode Chokes", ComponentLink1Description=https://datasheet.ciiva.com/3068/l0114s0133dlw21s-3068656.pdf?src-supplier=Avnet, ComponentLink1URL=https://datasheet.ciiva.com/3068/l0114s0133dlw21s-3068656.pdf?src-supplier=Avnet, ComponentLink2Description=https://datasheet.ciiva.com/6216/l0114e-6216255.pdf?src-supplier=Digi-Key, ComponentLink2URL=https://datasheet.ciiva.com/6216/l0114e-6216255.pdf?src-supplier=Digi-Key, ComponentLink3Description=https://datasheet.ciiva.com/4952/muratadl-plseries-202927-4952310.pdf?src-supplier=Mouser, ComponentLink3URL=https://datasheet.ciiva.com/4952/muratadl-plseries-202927-4952310.pdf?src-supplier=Mouser, ComponentLink4Description=https://datasheet.ciiva.com/18183/getdatasheetpartid-228875-18183367.pdf?src-supplier=Verical, ComponentLink4URL=https://datasheet.ciiva.com/18183/getdatasheetpartid-228875-18183367.pdf?src-supplier=Verical, Current Rating=280mA, DC Current=280mA, Depth=1.2mm, Height=0.055inch, Impedance=90R, Lead Free="Lead Free", Length=2mm, Manufacturer Part Number=DLW21SN900HQ2L, Max Current Rating=280mA, Max DC Current=280mA, Military Standard=Not, Mount="Surface Mount", Number of Lines=2, Packaging="Tape and Reel", Pricing 1="2000=0.2295, 4000=0.2273, 6000=0.225, 10000=0.2175, 24000=0.2153, 50000=0.2148 (USD)", Radiation Hardening=No, Reach SVHC Compliant=No, RoHS=Yes, RoHS Compliant=Yes, Series="EMIFIL®, DLW21S", Shielding=Unshielded, Stock 1=18000, Supplier 1="Arrow Electronics", Supplier Part Number 1=DLW21SN900HQ2L, Termination=SMD/SMT, Weight=0.000388oz, Width=0.047inch
L501 L601: library part DFE201610P-2R2M=P2, "Inductor Power Shielded Wirewound 2.2uH 20% 1MHz Metal 1.4A 0.168Ohm DCR 0806 T/R", Case Code (Imperial)=0806, Case Code (Metric)=2016, Current Rating=2A, DC Resistance (DCR)=168mR, Manufacturer=Murata, Manufacturer Part Number=DFE201610P-2R2M=P2, Max Operating Temperature=125°C, Min Operating Temperature=-40°C, Test Frequency=1MHz, Tolerance=20%, Case/Package=0806, Category="Fixed Inductors", ComponentLink1Description=http://farnell.com//datasheets/2550119.pdf?src-supplier=Farnell, ComponentLink1URL=http://farnell.com//datasheets/2550119.pdf?src-supplier=Farnell, ComponentLink2Description=https://www.murata.com/~/media/webrenewal/products/inductor/chip/tokoproducts/wirewoundmetalalloychiptype/m_dfe201610p.ashx?src-supplier=Digi-Key, ComponentLink2URL=https://www.murata.com/~/media/webrenewal/products/inductor/chip/tokoproducts/wirewoundmetalalloychiptype/m_dfe201610p.ashx?src-supplier=Digi-Key, Core Material=Ferrite, Height - Seated (Max)=0.039inch, Inductance=2.2uH, Length=0.079inch, Mount="Surface Mount", Packaging="Cut Tape", Pricing 1="1=0.1096 (USD)", RoHS=Yes, RoHS Compliant=Yes, Series=DFE201610P, Shielding=Shielded, Stock 1=1, Supplier 1="Arrow Electronics", Supplier Part Number 1=DFE201610P-2R2M=P2, Width=0.063inch
LED1001: library part BL-HGE37A-AV-TRB, "Yellow Green 0402 1X.5X4MM", Manufacturer="American Bright", Supplier Part Number 1=BL-HGE37A-AV-TRBCT-ND, Category=LEDs, ComponentLink1Description=http://americanbrightled.com/pdffiles/smt/BL-HGE37A-AV-TRB.pdf?src-supplier=Digi-Key, ComponentLink1URL=http://americanbrightled.com/pdffiles/smt/BL-HGE37A-AV-TRB.pdf?src-supplier=Digi-Key, ComponentLink2Description=http://www.americanbrightled.com/pdffiles/smt/BL-HGE37A-AV-TRB.pdf?src-supplier=Digi-Key, ComponentLink2URL=http://www.americanbrightled.com/pdffiles/smt/BL-HGE37A-AV-TRB.pdf?src-supplier=Digi-Key, Manufacturer Part Number=BL-HGE37A-AV-TRB, Pricing 1="1=0.34, 10=0.268, 100=0.1202, 500=0.1086, 1000=0.0892 (USD)", RoHS=Yes, Stock 1=34287, Supplier 1=Digi-Key
LED1002: library part SML-P12U2TT86R, "LED Uni-Color Red 2-Pin Chip 0402(1006Metric) T/R", Manufacturer=Rohm, Supplier Part Number 1=846-1192-1-ND, Category=LEDs, ComponentLink1Description=http://www.mouser.com/ds/2/348/sml-p1-471200.pdf?src-supplier=Mouser, ComponentLink1URL=http://www.mouser.com/ds/2/348/sml-p1-471200.pdf?src-supplier=Mouser, ComponentLink2Description=https://datasheet.octopart.com/SML-P12U2TT86R-Rohm-datasheet-138791994.pdf?src-supplier=Future+Electronics, ComponentLink2URL=https://datasheet.octopart.com/SML-P12U2TT86R-Rohm-datasheet-138791994.pdf?src-supplier=Future+Electronics, ComponentLink3Description=https://www.rohm.com/datasheet/SML-P12DT(R)?src-supplier=Digi-Key, ComponentLink3URL=https://www.rohm.com/datasheet/SML-P12DT(R)?src-supplier=Digi-Key, ComponentLink4Description=https://d1d2qsbl8m0m72.cloudfront.net/en/products/databook/datasheet/opto/led/chip_mono/sml-p1-e.pdf?src-supplier=Digi-Key, ComponentLink4URL=https://d1d2qsbl8m0m72.cloudfront.net/en/products/databook/datasheet/opto/led/chip_mono/sml-p1-e.pdf?src-supplier=Digi-Key, Manufacturer Part Number=SML-P12U2TT86R, Pricing 1="1=0.36, 10=0.236, 100=0.1577, 500=0.10908, 1000=0.0909, 2000=0.08181 (USD)", RoHS=Yes, Stock 1=17913, Supplier 1=Digi-Key
MH1001 MH1002 MH1003 MH1004: "Mounting Hole 5mm Diameter, 3.5mm Hole"
P901: library part "Header 7x1", "Header, 7-Pin, 2.54mm", Solder=WAVE
P902: library part "Header 6x1", "Header, 6-Pin", Solder=WAVE
PIN1101: library part PIN_OUT
Q501 Q502 Q601 Q602: "Transistor MOSFET NTR4003NT1G, SOT23, ON Semi", Case/Package=SOT-523, Continuous Drain Current (ID)=630mA, Drain to Source Resistance=300mR, Drain to Source Voltage (Vdss)=20V, Drain-source On Resistance-Max=400MR, Gate to Source Voltage (Vgs)=6V, Input Capacitance=60.67pF, Manufacturer=Diodes, Max Operating Temperature=150°C, Max Power Dissipation=280mW, Min Operating Temperature=-55°C, Package Quantity=3000, Supplier Part Number 1=1018280, Threshold Voltage=1V, Category=MOSFETs, ComponentLink1Description=https://datasheet.ciiva.com/934/ds31783-934512.pdf?src-supplier=Digi-Key, ComponentLink1URL=https://datasheet.ciiva.com/934/ds31783-934512.pdf?src-supplier=Digi-Key, ComponentLink2Description=https://datasheet.ciiva.com/4442/ds31783-44973-4442944.pdf?src-supplier=Mouser, ComponentLink2URL=https://datasheet.ciiva.com/4442/ds31783-44973-4442944.pdf?src-supplier=Mouser, ComponentLink3Description=https://datasheet.ciiva.com/11174/ds31783-11174965.pdf?src-supplier=Avnet, ComponentLink3URL=https://datasheet.ciiva.com/11174/ds31783-11174965.pdf?src-supplier=Avnet, ComponentLink4Description=https://datasheet.ciiva.com/934/ds31783-934511.pdf?src-supplier=Digi-Key, ComponentLink4URL=https://datasheet.ciiva.com/934/ds31783-934511.pdf?src-supplier=Digi-Key, ComponentLink5Description=https://datasheet.ciiva.com/6383/ds31783-6383803.pdf?src-supplier=Digi-Key, ComponentLink5URL=https://datasheet.ciiva.com/6383/ds31783-6383803.pdf?src-supplier=Digi-Key, Fall Time=12.3ns, FET Type="1 N-Channel", Height=0.8mm, Lead Free="Lead Free", Length=1.7mm, Manufacturer Part Number=DMG1012T-7, Mount="Surface Mount", Number of Channels=1, Number of Elements=1, Number of Pins=3, Packaging="Tape and Reel", Polarity=N-CHANNEL, Power Dissipation=280mW, Pricing 1="3000=0.0322, 9000=0.0311, 30000=0.0299, 60000=0.0292, 120000=0.0279 (USD)", Radiation Hardening=No, Rds On Max=400mR, Reach SVHC Compliant=No, Rise Time=7.4ns, RoHS=Yes, RoHS Compliant=Yes, Series=-, Stock 1=2052000, Supplier 1="Future Electronics", Turn-Off Delay Time=26.7ns, Turn-On Delay Time=5.1ns, Weight=7.1E-05oz, Width=0.85mm